# Altium PCB POT 10x8.PcbDoc (part 2 of 4)
Units mm, origin at the board's own origin, x right, y up, seen from the top; angles counter-clockwise.
Board outline 130 x 71 mm, 4 copper layers (Top Layer, Mid Layer 1, Mid Layer 2, Bottom Layer), stack 0.97 mm thick; 325 components, 354 nets, 1535 pads, 954 vias.
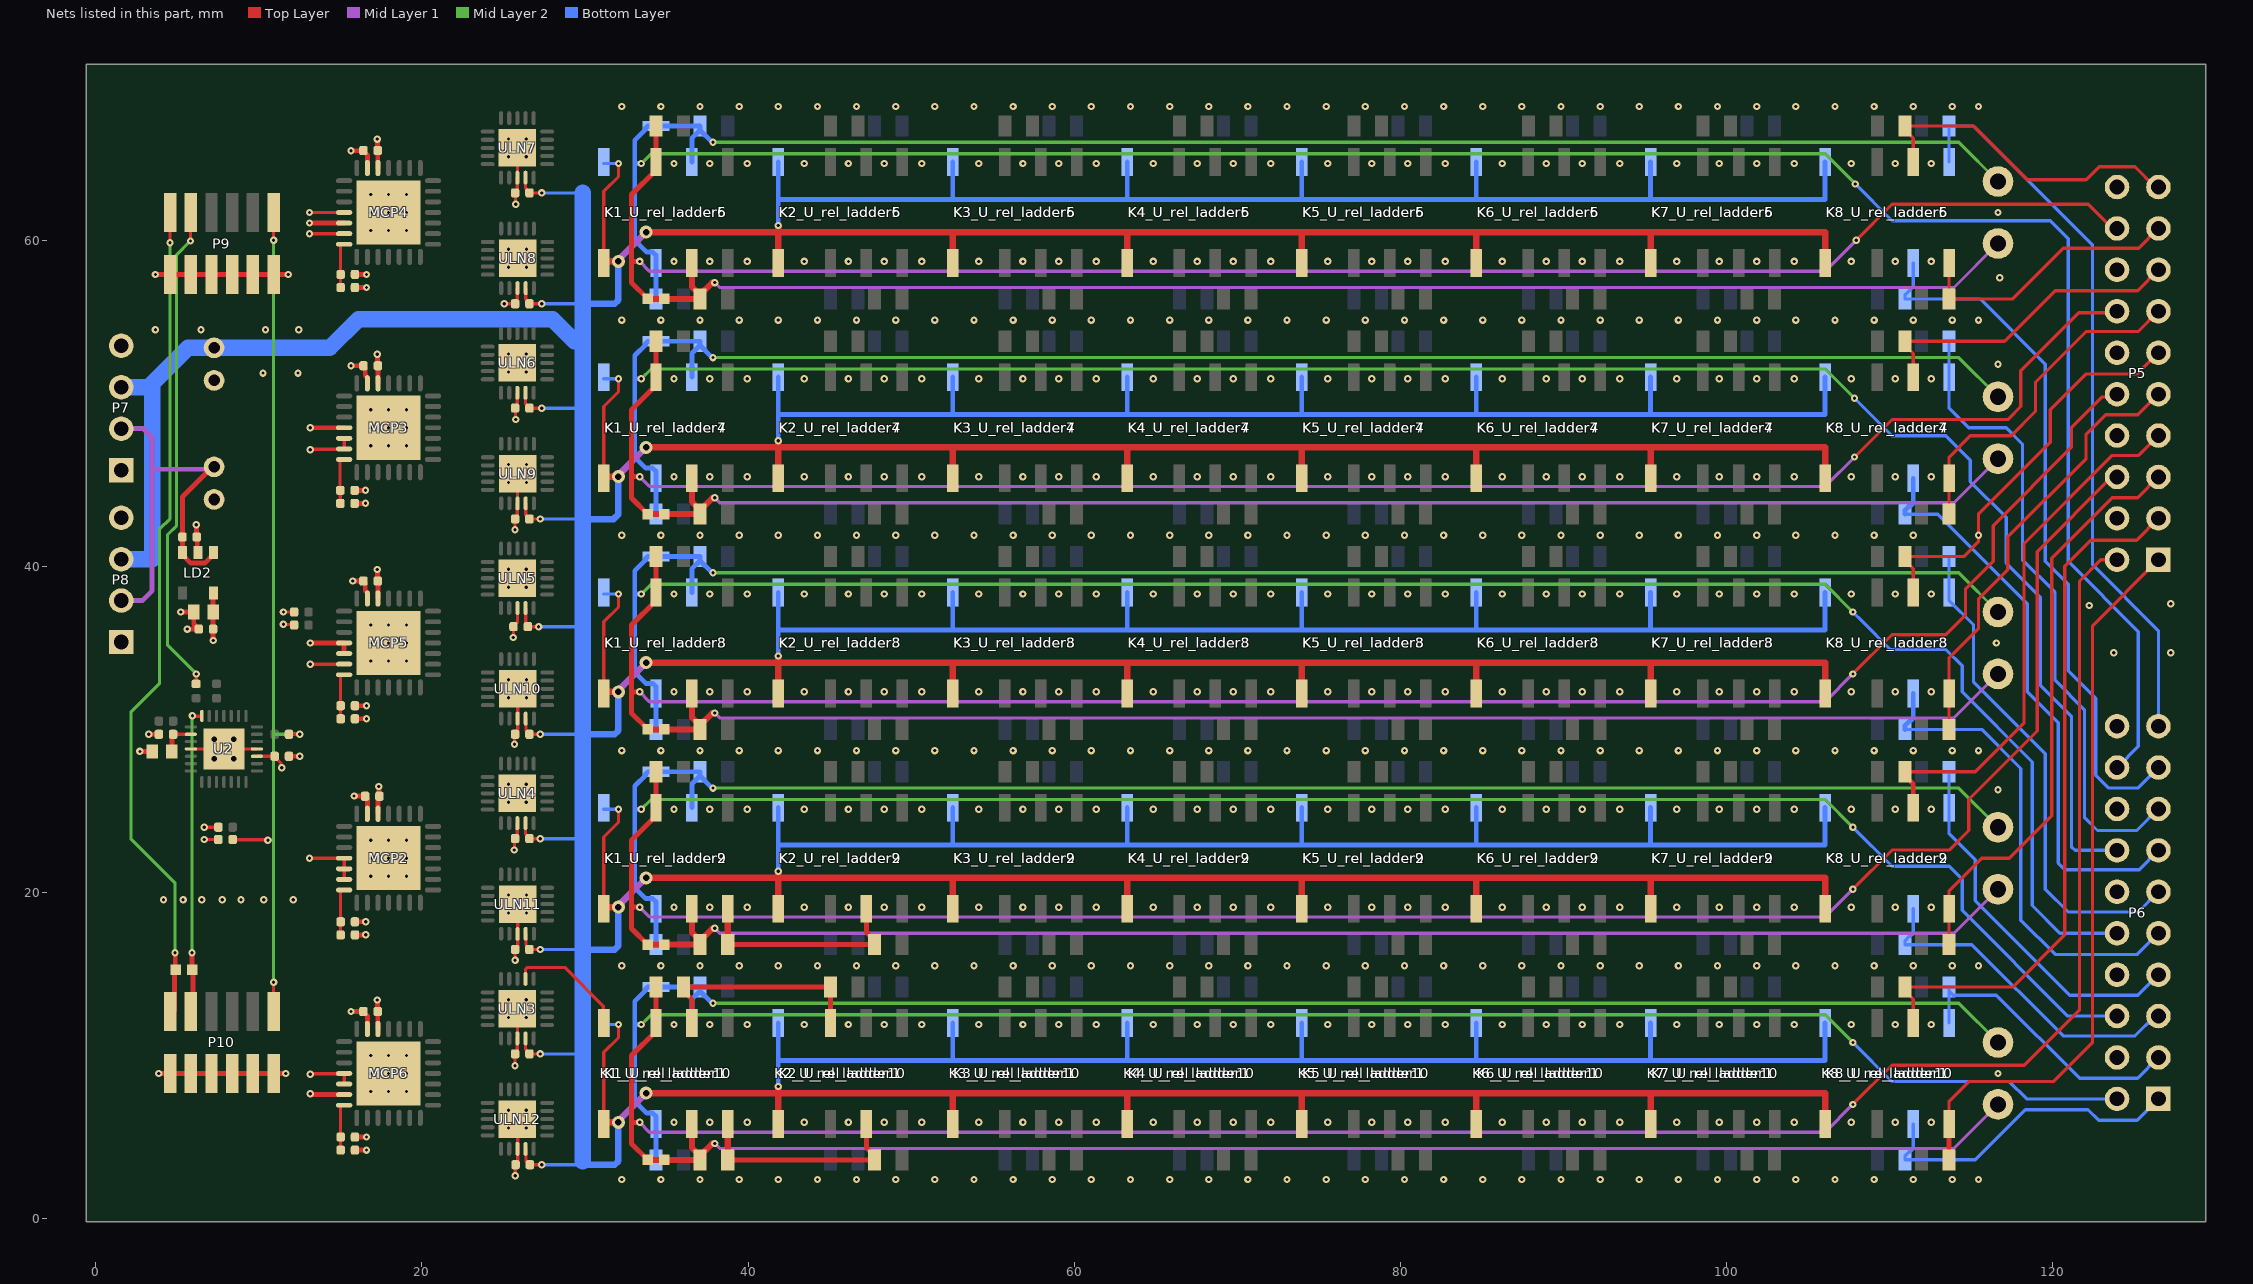
[diagram p4: the nets of this part, all layers, seen from the top]

## Part data
C10 C11 C12 C13 C14 C15 C16 C17 C18 C19 C20 C21 C22 C23 C24 C25 C26 C27 C28 C29 C30 C31 C32 C33 C34: library part C, "Capacitor"
C35 C36: library part C+, "Capacitor Polarized"
J4: library part JMP_mini
K1_U_rel_ladder1 K1_U_rel_ladder2 K1_U_rel_ladder3 K1_U_rel_ladder4 K1_U_rel_ladder5 K1_U_rel_ladder6 K1_U_rel_ladder7 K1_U_rel_ladder8 K1_U_rel_ladder9 K1_U_rel_ladder10 K2_U_rel_ladder1 K2_U_rel_ladder2 K2_U_rel_ladder3 K2_U_rel_ladder4 K2_U_rel_ladder5 K2_U_rel_ladder6 K2_U_rel_ladder7 K2_U_rel_ladder8 K2_U_rel_ladder9 K2_U_rel_ladder10 K3_U_rel_ladder1 K3_U_rel_ladder2 K3_U_rel_ladder3 K3_U_rel_ladder4 K3_U_rel_ladder5 K3_U_rel_ladder6 K3_U_rel_ladder7 K3_U_rel_ladder8 K3_U_rel_ladder9 K3_U_rel_ladder10 K4_U_rel_ladder1 K4_U_rel_ladder2 K4_U_rel_ladder3 K4_U_rel_ladder4 K4_U_rel_ladder5 K4_U_rel_ladder6 K4_U_rel_ladder7 K4_U_rel_ladder8 K4_U_rel_ladder9 K4_U_rel_ladder10 K5_U_rel_ladder1 K5_U_rel_ladder2 K5_U_rel_ladder3 K5_U_rel_ladder4 K5_U_rel_ladder5 K5_U_rel_ladder6 K5_U_rel_ladder7 K5_U_rel_ladder8 K5_U_rel_ladder9 K5_U_rel_ladder10 K6_U_rel_ladder1 K6_U_rel_ladder2 K6_U_rel_ladder3 K6_U_rel_ladder4 K6_U_rel_ladder5 K6_U_rel_ladder6 K6_U_rel_ladder7 K6_U_rel_ladder8 K6_U_rel_ladder9 K6_U_rel_ladder10 K7_U_rel_ladder1 K7_U_rel_ladder2 K7_U_rel_ladder3 K7_U_rel_ladder4 K7_U_rel_ladder5 K7_U_rel_ladder6 K7_U_rel_ladder7 K7_U_rel_ladder8 K7_U_rel_ladder9 K7_U_rel_ladder10 K8_U_rel_ladder1 K8_U_rel_ladder2 K8_U_rel_ladder3 K8_U_rel_ladder4 K8_U_rel_ladder5 K8_U_rel_ladder6 K8_U_rel_ladder7 K8_U_rel_ladder8 K8_U_rel_ladder9 K8_U_rel_ladder10: library part "IM-GR Relay DPDT", "TE CONNECTIVITY  IM-GR  RELAY, DPDT, NO", Farnell ID=1175070, URL=http://si.farnell.com/te-connectivity-axicom/im06gr/relay-gull-wing-dpco-12vdc-2a/dp/1175070
P5 P6: "Header, 10-Pin, Dual row", LatestRevisionDate=17-Jul-2002, LatestRevisionNote="Re-released for DXP Platform.", Publisher="Altium Limited"
P7 P8: library part "Header 4", "Header, 4-Pin", LatestRevisionDate=17-Jul-2002, LatestRevisionNote="Re-released for DXP Platform.", Publisher="Altium Limited"
P9 P10: library part "Header 6X2", "Header, 6-Pin, Dual row", LatestRevisionDate=17-Jul-2002, LatestRevisionNote="Re-released for DXP Platform.", Publisher="Altium Limited"
R1_U_rel_ladder1 R1_U_rel_ladder2 R1_U_rel_ladder3 R1_U_rel_ladder4 R1_U_rel_ladder5 R1_U_rel_ladder6 R1_U_rel_ladder7 R1_U_rel_ladder8 R1_U_rel_ladder9 R1_U_rel_ladder10 R2_U_rel_ladder1 R2_U_rel_ladder2 R2_U_rel_ladder3 R2_U_rel_ladder4 R2_U_rel_ladder5 R2_U_rel_ladder6 R2_U_rel_ladder7 R2_U_rel_ladder8 R2_U_rel_ladder9 R2_U_rel_ladder10 R3_U_rel_ladder1 R3_U_rel_ladder2 R3_U_rel_ladder3 R3_U_rel_ladder4 R3_U_rel_ladder5 R3_U_rel_ladder6 R3_U_rel_ladder7 R3_U_rel_ladder8 R3_U_rel_ladder9 R3_U_rel_ladder10 R4_U_rel_ladder1 R4_U_rel_ladder2 R4_U_rel_ladder3 R4_U_rel_ladder4 R4_U_rel_ladder5 R4_U_rel_ladder6 R4_U_rel_ladder7 R4_U_rel_ladder8 R4_U_rel_ladder9 R4_U_rel_ladder10 R5_U_rel_ladder1 R5_U_rel_ladder2 R5_U_rel_ladder3 R5_U_rel_ladder4 R5_U_rel_ladder5 R5_U_rel_ladder6 R5_U_rel_ladder7 R5_U_rel_ladder8 R5_U_rel_ladder9 R5_U_rel_ladder10 R6_U_rel_ladder1 R6_U_rel_ladder2 R6_U_rel_ladder3 R6_U_rel_ladder4 R6_U_rel_ladder5 R6_U_rel_ladder6 R6_U_rel_ladder7 R6_U_rel_ladder8 R6_U_rel_ladder9 R6_U_rel_ladder10 R7_U_rel_ladder1 R7_U_rel_ladder2 R7_U_rel_ladder3 R7_U_rel_ladder4 R7_U_rel_ladder5 R7_U_rel_ladder6 R7_U_rel_ladder7 R7_U_rel_ladder8 R7_U_rel_ladder9 R7_U_rel_ladder10 R8_U_rel_ladder1 R8_U_rel_ladder2 R8_U_rel_ladder3 R8_U_rel_ladder4 R8_U_rel_ladder5 R8_U_rel_ladder6 R8_U_rel_ladder7 R8_U_rel_ladder8 R8_U_rel_ladder9 R8_U_rel_ladder10 R9_U_rel_ladder1 R9_U_rel_ladder2 R9_U_rel_ladder3 R9_U_rel_ladder4 R9_U_rel_ladder5 R9_U_rel_ladder6 R9_U_rel_ladder7 R9_U_rel_ladder8 R9_U_rel_ladder9 R9_U_rel_ladder10 R10_U_rel_ladder1 R10_U_rel_ladder2 R10_U_rel_ladder3 R10_U_rel_ladder4 R10_U_rel_ladder5 R10_U_rel_ladder6 R10_U_rel_ladder7 R10_U_rel_ladder8 R10_U_rel_ladder9 R10_U_rel_ladder10 R11_U_rel_ladder1 R11_U_rel_ladder2 R11_U_rel_ladder3 R11_U_rel_ladder4 R11_U_rel_ladder5 R11_U_rel_ladder6 R11_U_rel_ladder7 R11_U_rel_ladder8 R11_U_rel_ladder9 R11_U_rel_ladder10 R12_U_rel_ladder1 R12_U_rel_ladder2 R12_U_rel_ladder3 R12_U_rel_ladder4 R12_U_rel_ladder5 R12_U_rel_ladder6 R12_U_rel_ladder7 R12_U_rel_ladder8 R12_U_rel_ladder9 R12_U_rel_ladder10 R13_U_rel_ladder1 R13_U_rel_ladder2 R13_U_rel_ladder3 R13_U_rel_ladder4 R13_U_rel_ladder5 R13_U_rel_ladder6 R13_U_rel_ladder7 R13_U_rel_ladder8 R13_U_rel_ladder9 R13_U_rel_ladder10 R14_U_rel_ladder1 R14_U_rel_ladder2 R14_U_rel_ladder3 R14_U_rel_ladder4 R14_U_rel_ladder5 R14_U_rel_ladder6 R14_U_rel_ladder7 R14_U_rel_ladder8 R14_U_rel_ladder9 R14_U_rel_ladder10 R15_U_rel_ladder1 R15_U_rel_ladder2 R15_U_rel_ladder3 R15_U_rel_ladder4 R15_U_rel_ladder5 R15_U_rel_ladder6 R15_U_rel_ladder7 R15_U_rel_ladder8 R15_U_rel_ladder9 R15_U_rel_ladder10 R16_U_rel_ladder1 R16_U_rel_ladder2 R16_U_rel_ladder3 R16_U_rel_ladder4 R16_U_rel_ladder5 R16_U_rel_ladder6 R16_U_rel_ladder7 R16_U_rel_ladder8 R16_U_rel_ladder9 R16_U_rel_ladder10 R26 R27 R28 R29 R30 R31 R32 R33 R34 R35 R36 R37 R38: library part R, "R"
U2: "8-bit AVR Microcontroller, 1.8-5.5V, 8KB Flash, 64 Bytes EEPROM, 512 Bytes SRAM, 28-pin MLF, Industrial Grade (-40°C to 85°C), Pb-Free", Supplier Part Number 1=ATTINY88-MMU-ND, ComponentLink1Description="Manufacturer Link", ComponentLink1URL=http://www.atmel.com/products/avr/default.asp?, ComponentLink2Description="ATtiny48/88 Datasheet", ComponentLink2URL=http://www.atmel.com/dyn/resources/prod_documents/doc8008.pdf, ComponentLink3Description="ATtiny48/88 Summary", ComponentLink3URL=http://www.atmel.com/dyn/resources/prod_documents/8008S.pdf, ComponentLink4Description="Atmel.com Home", ComponentLink4URL=http://www.atmel.com, DatasheetVersion="revC, Mar-2009", PackageDescription="28-pad, 4x4x1.0mm Body, Pitch 0.45mm, 2.4x2.4mm Exposed Pad, Plastic Very Thin QFN Package (VQFN)", PackageReference=28M1, PackageVersion="revB, Nov-2008", Published=1-Apr-2010, Publisher="Altium Limited", Supplier 1=Digi-Key, Supplier 2=Mouser, Supplier Part Number 2=556-ATTINY88-MMU

## Via types
v1: diameter 0.45, hole 0.2, Top Layer to Bottom Layer, 851 vias
v2: diameter 0.5, hole 0.2, Top Layer to Bottom Layer, 85 vias
v3: diameter 0.8, hole 0.4, Top Layer to Bottom Layer, 10 vias
v4: diameter 0.66, hole 0.33, Top Layer to Bottom Layer, 4 vias
v5: diameter 5.5, hole 3, Top Layer to Bottom Layer, 4 vias

## Nets (pads, with @x,y where several pads share a name; then routed paths per layer and width w, separated by ;. In a path a pad name is that pad's centre, name@x,y a point inside that pad or via, vN(x,y) a via of type N, cw(c..) or ccw(c..) an arc to the next point about the centre after c; other vN are vias at no path point)
+3.3V: C10.2 C14.2 C18.2 C22.2 C26.2 C30.1 C31.1 C32.1 FB2.1 LD2.5 MCP2.5 MCP3.5 MCP3.11 MCP4.5 MCP4.12 MCP5.5 MCP5.11 MCP5.12 MCP6.5 MCP6.13 R26.1 R27.1 R28.1 R29.1 R34.1 R35.1 R36.1 R37.1 R38.1 U2.3 | length 30.2
  Top Layer w0.2: v1(6.65,23.25) R36.1@7.51,23.25 ; v1(6.65,24) R35.1@7.51,24 ; U2.3@9.875,28.35 C32.1@10.96,28.35 ; C32.1@11.06,28.35 C32.1@10.96,28.35 ; v1(11.4,27.65) 11.352,27.698 11.352,27.922 10.96,28.314 C32.1@10.96,28.35 ; v1(11.5,36.45) 11.525,36.425 12.135,36.425 R37.1@12.16,36.4 ; v1(11.5,37.2) R38.1@12.16,37.2
  Top Layer w0.3: v1(2.7,28.65) FB2.1@3.45,28.65 ; v1(7.2,35.45) 7.195,35.455 7.195,36.145 C31.1@7.19,36.15 7.195,36.155 7.195,38.345 LD2.5@7.2,38.35 LD2.5@7.205,38.355 ; v1(13.1,61.05) MCP4.12@15.225,61.05 ; v1(13.15,7.65) 13.191,7.65 13.241,7.6 MCP6.13@15.225,7.6 ; v1(13.15,35.3) MCP5.11@15.225,35.3 MCP5.12@15.225,34.65 ; v1(13.15,48.5) MCP3.11@15.225,48.5 ; R27.1@15.871,43.861 v1(16.531,43.861) ; R34.1@15.89,4.2 v1(16.6,4.2) ; R26.1@15.89,17.4 v1(16.55,17.4) ; R29.1@15.89,30.65 v1(16.6,30.65) ; R28.1@15.89,57.1 v1(16.6,57.1) ; v1(17.25,13.4) 17.27,13.38 17.27,12.72 C26.2@17.29,12.7 17.29,11.985 17.3,11.975 MCP6.5@17.3,11.625 ; v1(17.25,39.8) 17.27,39.78 17.27,39.12 C14.2@17.29,39.1 17.3,39.09 MCP5.5@17.3,38.025 ; v1(17.25,53) 17.27,52.98 17.27,52.32 C18.2@17.29,52.3 17.3,52.29 MCP3.5@17.3,51.225 ; v1(17.25,66.2) 17.27,66.18 17.27,65.52 C22.2@17.29,65.5 17.29,64.785 17.3,64.775 MCP4.5@17.3,64.425 ; MCP2.5@17.3,24.825 17.3,25.81 C10.2@17.39,25.9 17.37,25.92 17.37,26.48 v1(17.35,26.5)
+5: C29.1 C36.1 LD2.1 LD2.3 P7.2 P8.2 | length 26.2
  Top Layer w0.3: LD2.1@7.2,40.85 7.2,40.725 6.673,40.198 5.827,40.198 5.3,40.725 LD2.3@5.3,40.85 5.305,40.855 5.305,41.795 C29.1@5.31,41.8 5.31,44.26 7.15,46.1 C36.1@7.25,46.1
  Mid Layer 1 w0.3: P8.2@1.55,37.9 2.85,37.9 3.45,38.5 3.45,45.95 ; P7.2@1.55,48.44 2.91,48.44 3.45,47.9 3.45,45.95 ; C36.1@7.25,46.1 7.1,45.95 3.45,45.95
+12: C12.1 C13.1 C16.1 C17.1 C20.1 C21.1 C24.1 C25.1 C28.1 C34.1 C35.1 K1_U_rel_ladder1.1 K1_U_rel_ladder2.1 K1_U_rel_ladder3.1 K1_U_rel_ladder4.1 K1_U_rel_ladder5.1 K1_U_rel_ladder6.1 K1_U_rel_ladder7.1 K1_U_rel_ladder8.1 K1_U_rel_ladder9.1 K1_U_rel_ladder10.1 K2_U_rel_ladder1.1 K2_U_rel_ladder2.1 K2_U_rel_ladder3.1 K2_U_rel_ladder4.1 K2_U_rel_ladder5.1 K2_U_rel_ladder6.1 K2_U_rel_ladder7.1 K2_U_rel_ladder8.1 K2_U_rel_ladder9.1 K2_U_rel_ladder10.1 K3_U_rel_ladder1.1 K3_U_rel_ladder2.1 K3_U_rel_ladder3.1 K3_U_rel_ladder4.1 K3_U_rel_ladder5.1 K3_U_rel_ladder6.1 K3_U_rel_ladder7.1 K3_U_rel_ladder8.1 K3_U_rel_ladder9.1 K3_U_rel_ladder10.1 K4_U_rel_ladder1.1 K4_U_rel_ladder2.1 K4_U_rel_ladder3.1 K4_U_rel_ladder4.1 K4_U_rel_ladder5.1 K4_U_rel_ladder6.1 K4_U_rel_ladder7.1 K4_U_rel_ladder8.1 K4_U_rel_ladder9.1 K4_U_rel_ladder10.1 K5_U_rel_ladder1.1 K5_U_rel_ladder2.1 K5_U_rel_ladder3.1 K5_U_rel_ladder4.1 K5_U_rel_ladder5.1 K5_U_rel_ladder6.1 K5_U_rel_ladder7.1 K5_U_rel_ladder8.1 K5_U_rel_ladder9.1 K5_U_rel_ladder10.1 K6_U_rel_ladder1.1 K6_U_rel_ladder2.1 K6_U_rel_ladder3.1 K6_U_rel_ladder4.1 K6_U_rel_ladder5.1 K6_U_rel_ladder6.1 K6_U_rel_ladder7.1 K6_U_rel_ladder8.1 K6_U_rel_ladder9.1 K6_U_rel_ladder10.1 K7_U_rel_ladder1.1 K7_U_rel_ladder2.1 K7_U_rel_ladder3.1 K7_U_rel_ladder4.1 K7_U_rel_ladder5.1 K7_U_rel_ladder6.1 K7_U_rel_ladder7.1 K7_U_rel_ladder8.1 K7_U_rel_ladder9.1 K7_U_rel_ladder10.1 K8_U_rel_ladder1.1 K8_U_rel_ladder2.1 K8_U_rel_ladder3.1 K8_U_rel_ladder4.1 K8_U_rel_ladder5.1 K8_U_rel_ladder6.1 K8_U_rel_ladder7.1 K8_U_rel_ladder8.1 K8_U_rel_ladder9.1 K8_U_rel_ladder10.1 P7.3 P8.3 ULN3.9 ULN4.9 ULN5.9 ULN6.9 ULN7.9 ULN8.9 ULN9.9 ULN10.9 ULN11.9 ULN12.9 | length 1072.6
  Top Layer w0.2: ULN3.9@26.35,11.05 26.35,10.376 26.59,10.136 C13.1@26.59,10.1 v1(27.25,10.1) ; ULN4.9@26.35,24.252 26.35,23.576 26.59,23.336 C12.1@26.59,23.3 v1(27.25,23.3) ; ULN5.9@26.35,37.443 26.36,37.434 26.36,36.43 C24.1@26.49,36.3 v1(27.15,36.3) ; ULN6.9@26.35,50.645 26.35,49.976 26.59,49.736 C28.1@26.59,49.7 v1(27.35,49.7) ; ULN7.9@26.35,63.834 26.35,63.176 26.59,62.936 C17.1@26.59,62.9 v1(27.35,62.9) ; ULN9.9@26.359,43.863 26.359,43.167 26.59,42.936 C16.1@26.59,42.9 v1(27.25,42.9) ; ULN8.9@26.359,57.063 26.359,56.367 26.59,56.136 C21.1@26.59,56.1 v1(27.35,56.1) ; ULN12.9@26.375,4.275 26.375,3.551 26.59,3.336 C34.1@26.59,3.3 ; ULN11.9@26.375,17.475 26.375,16.751 26.59,16.536 C20.1@26.59,16.5 v1(27.25,16.5) ; ULN10.9@26.375,30.675 26.375,29.951 26.59,29.736 C25.1@26.59,29.7 v1(27.25,29.7) ; C34.1@26.616,3.302 v1@27.349,3.301 ; K1_U_rel_ladder1.1@31.15,5.8 31.15,10.2 32.05,11.1 v1(32.05,11.9) ; K1_U_rel_ladder2.1@31.15,19 31.15,23.4 32.05,24.3 v1(32.05,25.1) ; K1_U_rel_ladder3.1@31.15,32.2 31.15,36.6 32.05,37.5 v1(32.05,38.3) ; K1_U_rel_ladder4.1@31.15,45.4 31.15,49.8 32.05,50.7 v1(32.05,51.5) ; K1_U_rel_ladder5.1@31.15,58.6 31.15,63 32.05,63.9 v1(32.05,64.7)
  Top Layer w0.4: K1_U_rel_ladder1.1@31.15,5.8 31.25,5.9 v3(32.05,5.9) ; K1_U_rel_ladder2.1@31.15,19 31.25,19.1 v3(32.05,19.1) ; K1_U_rel_ladder3.1@31.15,32.2 31.25,32.3 v3(32.05,32.3) ; K1_U_rel_ladder4.1@31.15,45.4 31.25,45.5 v3(32.05,45.5) ; K1_U_rel_ladder5.1@31.15,58.6 31.25,58.7 v3(32.05,58.7) ; v3(33.75,7.7) 41.85,7.7 ; v3(33.75,20.9) 41.85,20.9 ; v3(33.75,34.1) 41.85,34.1 ; v3(33.75,47.3) 41.85,47.3 ; v3(33.75,60.5) 41.85,60.5 ; K2_U_rel_ladder1.1@41.85,5.8 41.85,7.7 ; v1(41.85,8.1) 41.85,7.7 ; K2_U_rel_ladder2.1@41.85,19 41.85,20.9 ; v1(41.85,21.3) 41.85,20.9 ; K2_U_rel_ladder3.1@41.85,32.2 41.85,34.1 ; v1(41.85,34.5) 41.85,34.1 ; K2_U_rel_ladder4.1@41.85,45.4 41.85,47.3 ; v1(41.85,47.7) 41.85,47.3 ; K2_U_rel_ladder5.1@41.85,58.6 41.85,60.5 ; v1(41.85,60.9) 41.85,60.5 ; K3_U_rel_ladder1.1@52.55,5.8 52.55,7.7 ; K3_U_rel_ladder2.1@52.55,19 52.55,20.9 ; K3_U_rel_ladder3.1@52.55,32.2 52.55,34.1 ; K3_U_rel_ladder4.1@52.55,45.4 52.55,47.3 ; K3_U_rel_ladder5.1@52.55,58.6 52.55,60.5 ; K4_U_rel_ladder1.1@63.25,5.8 63.25,7.7 ; K4_U_rel_ladder2.1@63.25,19 63.25,20.9 ; K4_U_rel_ladder3.1@63.25,32.2 63.25,34.1 ; K4_U_rel_ladder4.1@63.25,45.4 63.25,47.3 ; K4_U_rel_ladder5.1@63.25,58.6 63.25,60.5 ; K5_U_rel_ladder1.1@73.95,5.8 73.95,7.7 ; K5_U_rel_ladder2.1@73.95,19 73.95,20.9 ; K5_U_rel_ladder3.1@73.95,32.2 73.95,34.1 ; K5_U_rel_ladder4.1@73.95,45.4 73.95,47.3 ; K5_U_rel_ladder5.1@73.95,58.6 73.95,60.5 ; K6_U_rel_ladder1.1@84.65,5.8 84.65,7.7 ; K6_U_rel_ladder2.1@84.65,19 84.65,20.9 ; K6_U_rel_ladder3.1@84.65,32.2 84.65,34.1 ; K6_U_rel_ladder4.1@84.65,45.4 84.65,47.3 ; K6_U_rel_ladder5.1@84.65,58.6 84.65,60.5 ; K7_U_rel_ladder1.1@95.35,5.8 95.35,7.7 ; K7_U_rel_ladder2.1@95.35,19 95.35,20.9 ; K7_U_rel_ladder3.1@95.35,32.2 95.35,34.1 ; K7_U_rel_ladder4.1@95.35,45.4 95.35,47.3 ; K7_U_rel_ladder5.1@95.35,58.6 95.35,60.5 ; K8_U_rel_ladder1.1@106.05,5.8 106.05,7.7 95.35,7.7 ; K8_U_rel_ladder2.1@106.05,19 106.05,20.9 95.35,20.9 ; K8_U_rel_ladder3.1@106.05,32.2 106.05,34.1 95.35,34.1 ; K8_U_rel_ladder4.1@106.05,45.4 106.05,47.3 95.35,47.3 ; K8_U_rel_ladder5.1@106.05,58.6 106.05,60.5 95.35,60.5 ; 41.85,7.7 52.55,7.7 ; 41.85,20.9 52.55,20.9 ; 41.85,34.1 52.55,34.1 ; 41.85,47.3 52.55,47.3 ; 41.85,60.5 52.55,60.5 ; 52.55,7.7 63.25,7.7 ; 52.55,20.9 63.25,20.9 ; 52.55,34.1 63.25,34.1 ; 52.55,47.3 63.25,47.3 ; 52.55,60.5 63.25,60.5 ; 63.25,7.7 73.95,7.7 ; 63.25,20.9 73.95,20.9 ; 63.25,34.1 73.95,34.1 ; 63.25,47.3 73.95,47.3 ; 63.25,60.5 73.95,60.5 ; 73.95,7.7 84.65,7.7 ; 73.95,20.9 84.65,20.9 ; 73.95,34.1 84.65,34.1 ; 73.95,47.3 84.65,47.3 ; 73.95,60.5 84.65,60.5 ; 84.65,7.7 95.35,7.7 ; 84.65,20.9 95.35,20.9 ; 84.65,34.1 95.35,34.1 ; 84.65,47.3 95.35,47.3 ; 84.65,60.5 95.35,60.5
  Mid Layer 1 w0.4: v3(32.05,5.9) 32.05,6 v3(33.75,7.7) ; v3(32.05,19.1) 32.05,19.2 v3(33.75,20.9) ; v3(32.05,32.3) 32.05,32.4 v3(33.75,34.1) ; v3(32.05,45.5) 32.05,45.6 v3(33.75,47.3) ; v3(32.05,58.7) 32.05,58.8 v3(33.75,60.5)
  Bottom Layer w0.2: v1(27.15,36.3) 29.85,36.3 ; v1(27.25,10.1) 29.45,10.1 29.85,10.5 ; v1(27.25,16.5) 29.55,16.5 29.85,16.8 ; v1(27.25,23.3) 29.85,23.3 ; v1(27.25,29.7) 29.85,29.7 30.35,29.7 30.45,29.8 ; v1(27.25,42.9) 29.85,42.9 ; v1(27.35,3.3) 29.65,3.3 29.85,3.5 ; v1(27.35,49.7) 29.8,49.7 29.85,49.75 ; v1(27.35,56.1) 29.65,56.1 29.85,56.3 ; v1(27.35,62.9) 29.85,62.9 ; K1_U_rel_ladder10.1@31.15,11.9 v1(32.05,11.9) ; K1_U_rel_ladder9.1@31.15,25.1 v1(32.05,25.1) ; K1_U_rel_ladder8.1@31.15,38.3 v1(32.05,38.3) ; K1_U_rel_ladder7.1@31.15,51.5 v1(32.05,51.5) ; K1_U_rel_ladder6.1@31.15,64.7 v1(32.05,64.7)
  Bottom Layer w0.3: v1(41.85,8.1) K2_U_rel_ladder10.1@41.85,11.9 ; K2_U_rel_ladder10.1@41.85,12 41.85,9.7 52.55,9.7 ; v1(41.85,21.3) K2_U_rel_ladder9.1@41.85,25.1 ; K2_U_rel_ladder9.1@41.85,25.2 41.85,22.9 52.55,22.9 ; v1(41.85,34.5) K2_U_rel_ladder8.1@41.85,38.3 ; K2_U_rel_ladder8.1@41.85,38.4 41.85,36.1 52.55,36.1 ; v1(41.85,47.7) 41.85,49.3 ; K2_U_rel_ladder7.1@41.85,51.6 41.85,49.3 ; v1(41.85,60.9) K2_U_rel_ladder6.1@41.85,64.7 ; K2_U_rel_ladder6.1@41.85,64.8 41.85,62.5 52.55,62.5 ; K3_U_rel_ladder10.1@52.55,12 52.55,9.7 ; K3_U_rel_ladder9.1@52.55,25.2 52.55,22.9 ; K3_U_rel_ladder8.1@52.55,38.4 52.55,36.1 ; K3_U_rel_ladder7.1@52.55,51.6 52.55,49.3 ; K3_U_rel_ladder6.1@52.55,64.8 52.55,62.5 ; K4_U_rel_ladder10.1@63.25,12 63.25,9.7 ; K4_U_rel_ladder9.1@63.25,25.2 63.25,22.9 ; K4_U_rel_ladder8.1@63.25,38.4 63.25,36.1 ; K4_U_rel_ladder7.1@63.25,51.6 63.25,49.3 ; K4_U_rel_ladder6.1@63.25,64.8 63.25,62.5 ; K5_U_rel_ladder10.1@73.95,12 73.95,9.7 ; K5_U_rel_ladder9.1@73.95,25.2 73.95,22.9 ; K5_U_rel_ladder8.1@73.95,38.4 73.95,36.1 ; K5_U_rel_ladder7.1@73.95,51.6 73.95,49.3 ; K5_U_rel_ladder6.1@73.95,64.8 73.95,62.5 ; K6_U_rel_ladder10.1@84.65,12 84.65,9.7 ; K6_U_rel_ladder9.1@84.65,25.2 84.65,22.9 ; K6_U_rel_ladder8.1@84.65,38.4 84.65,36.1 ; K6_U_rel_ladder7.1@84.65,51.6 84.65,49.3 ; K6_U_rel_ladder6.1@84.65,64.8 84.65,62.5 ; K7_U_rel_ladder10.1@95.35,12 95.35,9.7 ; K7_U_rel_ladder9.1@95.35,25.2 95.35,22.9 ; K7_U_rel_ladder8.1@95.35,38.4 95.35,36.1 ; K7_U_rel_ladder7.1@95.35,51.6 95.35,49.3 ; K7_U_rel_ladder6.1@95.35,64.8 95.35,62.5 ; K8_U_rel_ladder10.1@106.05,12 106.05,9.7 95.35,9.7 ; K8_U_rel_ladder9.1@106.05,25.2 106.05,22.9 95.35,22.9 ; K8_U_rel_ladder8.1@106.05,38.4 106.05,36.1 95.35,36.1 ; K8_U_rel_ladder7.1@106.05,51.6 106.05,49.3 95.35,49.3 ; K8_U_rel_ladder6.1@106.05,64.8 106.05,62.5 95.35,62.5 ; 41.85,49.3 52.55,49.3 ; 52.55,9.7 63.25,9.7 ; 52.55,22.9 63.25,22.9 ; 52.55,36.1 63.25,36.1 ; 52.55,49.3 63.25,49.3 ; 52.55,62.5 63.25,62.5 ; 63.25,9.7 73.95,9.7 ; 63.25,22.9 73.95,22.9 ; 63.25,36.1 73.95,36.1 ; 63.25,49.3 73.95,49.3 ; 63.25,62.5 73.95,62.5 ; 73.95,9.7 84.65,9.7 ; 73.95,22.9 84.65,22.9 ; 73.95,36.1 84.65,36.1 ; 73.95,49.3 84.65,49.3 ; 73.95,62.5 84.65,62.5 ; 84.65,9.7 95.35,9.7 ; 84.65,22.9 95.35,22.9 ; 84.65,36.1 95.35,36.1 ; 84.65,49.3 95.35,49.3 ; 84.65,62.5 95.35,62.5
  Bottom Layer w0.4: 29.65,3.3 29.85,3.3 31.816,3.3 32.05,3.534 v3(32.05,5.9) ; 29.85,16.5 31.816,16.5 32.05,16.734 v3(32.05,19.1) ; 29.85,42.9 31.75,42.9 32.05,43.2 v3(32.05,45.5) ; 29.85,56.1 31.816,56.1 32.05,56.334 v3(32.05,58.7) ; 30.35,29.7 31.816,29.7 32.05,29.934 v3(32.05,32.3)
  Bottom Layer w1: P8.3@1.55,40.44 3.45,40.44 3.45,50.98 3.23,50.98 ; P7.3@1.55,50.98 3.23,50.98 ; C35.1@7.198,53.352 C35.1@7.25,53.3 ; 29.85,3.5 29.85,10.1 29.85,10.5 29.85,16.5 29.85,16.8 29.85,23.3 29.85,29.7 29.85,36.3 29.85,42.9 29.85,49.75 29.85,53.8 ; 29.85,62.9 29.85,56.3 29.85,56.1 29.85,53.8 ; 3.23,50.98 5.65,53.4 6.2,53.4 6.65,53.4 7.198,53.4 14.35,53.4 16.102,55.152 28.003,55.152 29.355,53.8 29.85,53.8
A1: K8_U_rel_ladder1.6 P5.3 R1_U_rel_ladder1.1 | length 43.1
  Top Layer w0.2: K8_U_rel_ladder1.6@111.45,12 111.45,13.45 110.95,13.95 R1_U_rel_ladder1.1@110.95,14.2 117.55,14.2 120.75,17.4 120.75,40 122.35,41.6 125.15,41.6 P5.3@126.49,42.94
A2: K8_U_rel_ladder2.6 P5.7 R1_U_rel_ladder2.1 | length 32.9
  Top Layer w0.2: R1_U_rel_ladder2.1@110.95,27.4 115.25,27.4 118.25,30.4 118.25,41.4 123.65,46.8 125.27,46.8 P5.7@126.49,48.02
  Top Layer w0.3: R1_U_rel_ladder2.1@110.95,27.4 110.95,27.15 111.45,26.65 K8_U_rel_ladder2.6@111.45,25.2
A3: K8_U_rel_ladder3.6 P5.11 R1_U_rel_ladder3.1 | length 25.3
  Top Layer w0.2: K8_U_rel_ladder3.6@111.45,38.4 111.45,39.85 110.95,40.35 R1_U_rel_ladder3.1@110.95,40.6 114.55,40.6 115.45,41.5 v1(115.45,41.9) 115.45,43.2 119.85,47.6 119.85,49.6 122.05,51.8 125.19,51.8 P5.11@126.49,53.1
A4: K8_U_rel_ladder4.6 P5.15 R1_U_rel_ladder4.1 | length 19.8
  Top Layer w0.2: K8_U_rel_ladder4.6@111.45,51.6 111.45,53.05 110.95,53.55 R1_U_rel_ladder4.1@110.95,53.8 117.05,53.8 120.15,56.9 125.21,56.9 P5.15@126.49,58.18
A5: K8_U_rel_ladder5.6 P5.19 R1_U_rel_ladder5.1 | length 20.2
  Top Layer w0.2: K8_U_rel_ladder5.6@111.45,64.8 111.45,66.25 110.95,66.75 R1_U_rel_ladder5.1@110.95,67 115.15,67 118.45,63.7 122.05,63.7 122.85,64.5 125.05,64.5 126.29,63.26 P5.19@126.49,63.26
A6: K8_U_rel_ladder6.6 P6.17 R1_U_rel_ladder6.1 | length 43.8
  Bottom Layer w0.2: K8_U_rel_ladder6.6@111.45,58.6 111.45,57.15 110.95,56.65 R1_U_rel_ladder6.1@110.95,56.4 115.55,56.4 119.55,52.4 119.55,40.3 120.95,38.9 120.95,33.6 122.65,31.9 122.65,27.2 123.45,26.4 125.23,26.4 P6.17@126.49,27.66
A7: K8_U_rel_ladder7.6 P6.13 R1_U_rel_ladder7.1 | length 35.7
  Bottom Layer w0.2: R1_U_rel_ladder7.1@110.95,43.2 112.95,43.2 118.45,37.7 118.45,32.3 120.35,30.4 120.35,21.8 120.75,21.4 125.31,21.4 P6.13@126.49,22.58
  Bottom Layer w0.3: R1_U_rel_ladder7.1@110.95,43.2 110.95,43.45 111.2,43.7 111.274,43.7 111.45,43.876 K8_U_rel_ladder7.6@111.45,45.4
A8: K8_U_rel_ladder8.6 P6.9 R1_U_rel_ladder8.1 | length 29.7
  Bottom Layer w0.2: R1_U_rel_ladder8.1@110.95,30 115.65,30 118.05,27.6 118.05,18.3 120.15,16.2 125.19,16.2 P6.9@126.49,17.5
  Bottom Layer w0.3: R1_U_rel_ladder8.1@110.95,30 110.95,30.25 111.2,30.5 111.274,30.5 111.45,30.676 K8_U_rel_ladder8.6@111.45,32.2
A9: K8_U_rel_ladder9.6 P6.5 R1_U_rel_ladder9.1 | length 20.8
  Bottom Layer w0.2: K8_U_rel_ladder9.6@111.45,19 111.45,17.476 111.274,17.3 111.2,17.3 110.95,17.05 R1_U_rel_ladder9.1@110.95,16.8 115.05,16.8 120.65,11.2 125.05,11.2 126.27,12.42 P6.5@126.49,12.42
A10: K8_U_rel_ladder10.6 P6.1 R1_U_rel_ladder10.1 | length 20.1
  Bottom Layer w0.2: K8_U_rel_ladder10.6@111.45,5.8 111.45,4.276 111.274,4.1 111.2,4.1 110.95,3.85 R1_U_rel_ladder10.1@110.95,3.6 115.25,3.6 118.33,6.68 122.17,6.68 122.821,6.029 125.179,6.029 P6.1@126.49,7.34